# KiCad board KB75.kicad_pcb (continued)
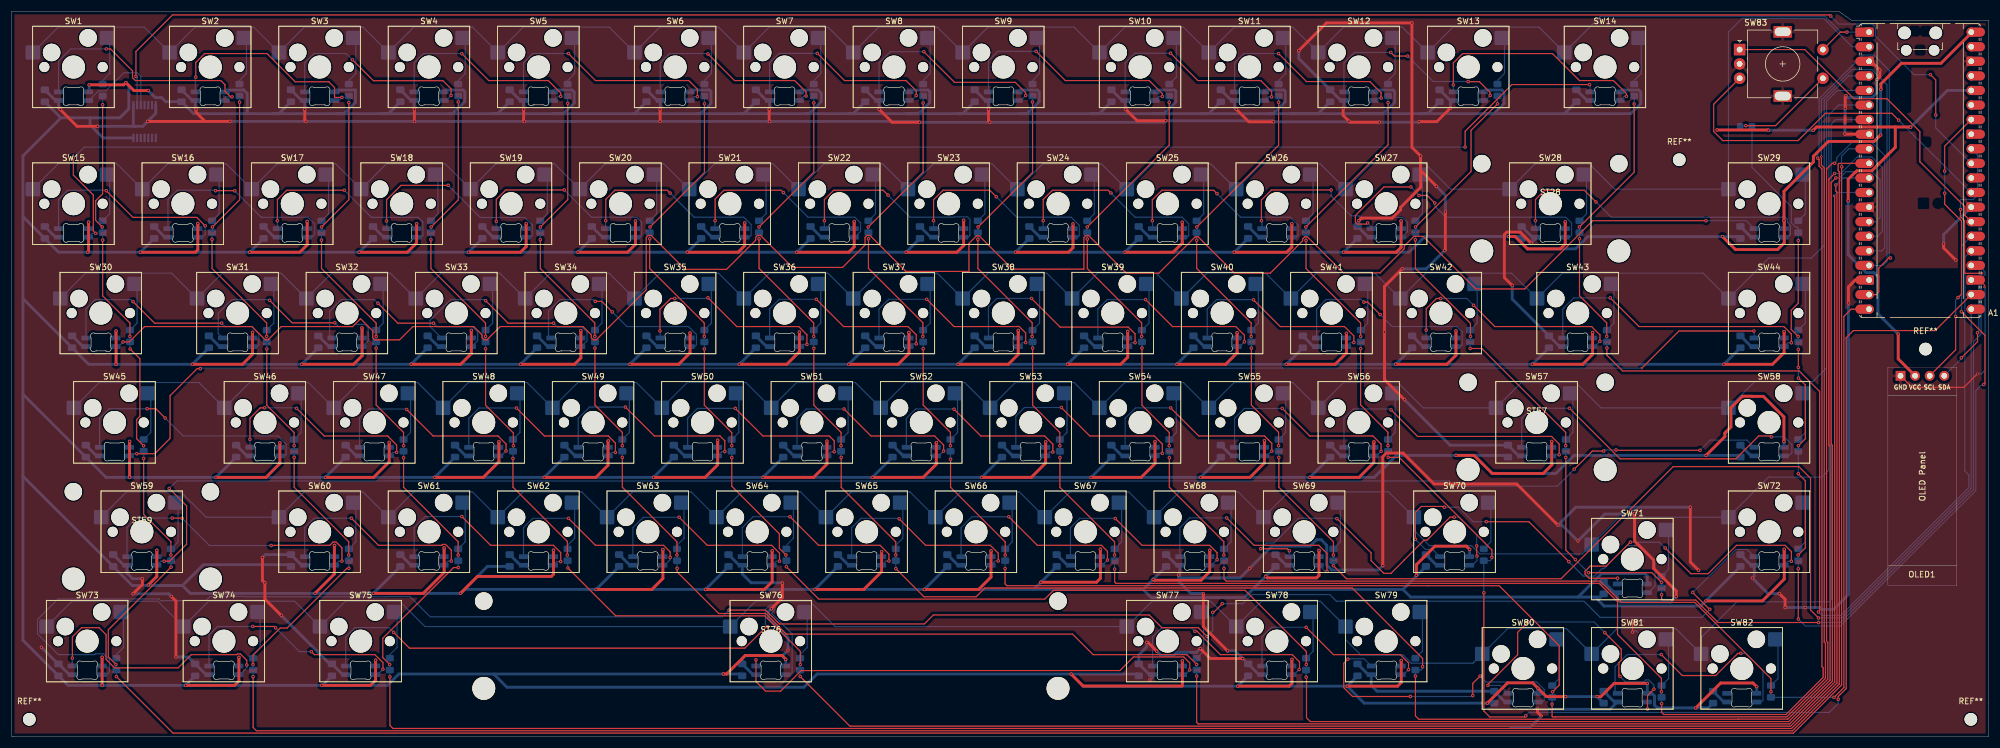
[diagram p0: board, top side]
## Routing (per net, layer and track width the routed paths; a pad name or vN(x,y) marks a point on that pad's centre or on a via; arc(x,y) is an arc through that point) (continued)
Net-(LED67-DOUT): length 36.6
  Top w0.2: v1(209.94,30.8) 209.94,32.01 208.65,33.31 196.88,33.31 v1(192.22,37.97)
  Bottom w0.2: LED67.1 184.41,36.39 186.04,38.01 192.17,38.01 v1(192.22,37.97) ; v1(209.94,30.8) 208.97,29.83 LED68.3
Net-(LED68-DOUT): length 38.9
  Top w0.2: v1(229.08,28.76) 229.08,31.89 227.66,33.31 216.39,33.31 v1(211.62,38.08)
  Bottom w0.2: LED69.3 228.79,28.76 v1(229.08,28.76) ; v1(211.62,38.08) 205.16,38.08 203.46,36.39 LED68.1
Net-(LED69-DOUT): length 62.2
  Top w0.2: v1(222.54,32.35) 222.18,32.71 v1(217.54,32.71) ; v1(255.15,33.21) 255.15,31.49 v1(255.21,31.43) ; v1(230.81,37.95) 236.77,31.99 236.77,30.64 238.99,28.42 240.22,28.42 242.55,30.75 242.55,30.77 245.98,34.2 246.5,34.2 250.51,38.21 v1(251.23,38.21)
  Bottom w0.2: v1(222.54,32.35) 222.51,32.33 LED69.1 ; v1(255.15,33.21) 255.15,35.15 252.08,38.21 v1(251.23,38.21) ; v1(255.21,31.43) 255.21,30.66 254.38,29.83 LED70.3 ; v1(230.81,37.95) 230.74,38.01 224.14,38.01 219.84,33.71 218.54,33.71 v1(217.54,32.71)
Net-(LED70-DOUT): length 66.7
  Top w0.2: v1(249.51,39.94) 249.37,40.08 245.5,40.08 244.48,39.05 v1(244.48,34.35) ; v1(271.19,30.47) 264.24,37.42 v1(256.82,37.42)
  Bottom w0.2: v1(256.82,37.42) 254.51,37.42 252,39.94 v1(249.51,39.94) ; v1(244.48,34.35) 246.24,32.59 247.45,32.59 LED70.1 ; LED71.3 285.06,25.07 286.21,26.21 286.21,30.28 283.24,33.25 281.29,33.25 277.3,29.26 276.97,29.26 275.65,27.94 273.72,27.94 v1(271.19,30.47)
Net-(LED71-DOUT): length 53.5
  Top w0.2: v1(287.97,32.85) 292.46,28.36 295.45,28.36 300.4,33.31 308.86,33.31 309.96,32.21 v1(309.96,30.52) ; v1(281.92,33.85) 281.89,33.85 277.71,29.67 274.9,29.67 274.01,28.79 274.01,28.29 274.74,27.57 v1(279.68,27.57)
  Bottom w0.2: v1(281.92,33.85) 286.97,33.85 v1(287.97,32.85) ; LED71.1 279.66,27.56 v1(279.68,27.57) ; LED72.3 309.37,30.52 v1(309.96,30.52)
Net-(LED72-DOUT): length 344.6
  Top w0.2: v1(295.75,22.16) 295.69,22.16 292.79,25.06 v1(292.79,25.1) ; v1(209.19,21.63) 209.34,21.63 v1(210.85,23.14) ; v1(208.21,17.43) 206.67,18.96 200.33,18.96 198.12,21.17 160.54,21.17 158.97,19.6 133.73,19.6 131.31,22.03 v1(124.97,22.03)
  Bottom w0.2: v1(292.79,25.1) 300.27,32.59 302.22,32.59 LED72.1 ; v1(210.85,23.14) 214.41,23.14 216,24.73 229.56,24.73 230.72,23.57 273.84,23.57 276.65,20.76 294.36,20.76 v1(295.75,22.16) ; LED73.3 16.58,10.78 17.06,11.26 17.06,13.39 16.03,14.41 14.64,14.41 14.49,14.26 8.17,14.26 4.52,17.91 4.52,20.39 8.1,23.97 25.66,23.97 25.96,23.67 33.86,23.67 34.58,24.39 40.77,24.39 40.82,24.34 65.23,24.34 65.28,24.39 69.38,24.39 72.91,20.86 123.8,20.86 v1(124.97,22.03) ; v1(209.19,21.63) 209.19,18.41 v1(208.21,17.43)
Net-(LED73-DOUT): length 46.2
  Top w0.2: v1(40.97,12.45) 40.97,13.28 39.85,14.39 39.36,14.39 39.22,14.26 31.32,14.26 29.02,11.96 17.94,11.96 16.46,13.43 16.46,17.74 15.24,18.96 12.21,18.96 10.61,17.36 v1(10.61,13.66)
  Bottom w0.2: LED73.1 10.58,13.64 v1(10.61,13.66) ; v1(40.97,12.45) 40.97,11.97 39.78,10.78 LED74.3
Net-(LED74-DOUT): length 41.7
  Top w0.2: v1(45.98,18.95) 45.76,19.17 v1(42.03,19.17) ; v1(64.69,11.72) 64.69,12.86 63.29,14.26 52.75,14.26 v1(52.22,14.79)
  Bottom w0.2: LED74.1 34.39,17.71 35.86,19.17 v1(42.03,19.17) ; v1(52.22,14.79) 50.14,14.79 v1(45.98,18.95) ; LED75.3 63.75,10.78 v1(64.69,11.72)
Net-(LED75-DOUT): length 101.9
  Top w0.2: v1(66.54,18.15) 69.31,15.39 127.69,15.39 131.41,19.1 v1(131.7,19.1)
  Bottom w0.2: LED76.3 135.64,10.78 135.95,11.08 135.95,17.86 132.38,21.43 132.38,21.48 132.92,22.02 132.92,22.52 132.56,22.87 132.07,22.87 131.28,22.08 131.28,19.53 v1(131.7,19.1) ; v1(66.54,18.15) 65.73,18.96 59.83,18.96 58.21,17.34 LED75.1
Net-(LED76-DOUT): length 86.8
  Top w0.2: v1(205.18,11.61) 205.18,12.82 204.14,13.86 195.38,13.86 193.02,11.49 137.53,11.49 133.95,7.91 131.32,7.91 129.65,9.58 v1(129.65,13.36)
  Bottom w0.2: v1(129.65,13.36) 129.64,13.36 LED76.1 ; LED77.3 204.35,10.78 v1(205.18,11.61)
Net-(LED77-DOUT): length 36.8
  Top w0.2: v1(206.09,18.33) 206.46,18.33 210.53,14.26 223.02,14.26 224.3,12.99 224.3,11.74 v1(224.23,11.67)
  Bottom w0.2: 222.95,10.78 223.34,10.78 v1(224.23,11.67) ; LED77.1 198.7,17.34 200.33,18.96 205.45,18.96 v1(206.09,18.33)
Net-(LED78-DOUT): length 36.7
  Top w0.2: v1(243.28,11.66) 243.28,12.83 241.85,14.26 230.22,14.26 v1(225.46,19.02)
  Bottom w0.2: v1(243.28,11.66) 242.4,10.78 LED79.3 ; v1(225.46,19.02) 219.44,19.02 217.75,17.34 217.75,12.28
Net-(LED79-DOUT): length 52.2
  Top w0.2: v1(255.75,10.53) 254.47,9.25 v1(254.47,7.13) ; v1(243.6,6.97) 233.55,6.97 232,8.52 232,12.76 v1(232.71,13.47)
  Bottom w0.2: v1(243.6,6.97) 254.31,6.97 v1(254.47,7.13) ; v1(255.75,10.53) 256.78,9.5 265.6,9.5 266.91,8.18 266.91,6.32 266.61,6.02 LED80.3 ; v1(232.71,13.47) 232.77,13.54 235.54,13.54 236.8,12.28
Net-(LED80-DOUT): length 53.9
  Top w0.2: v1(286.01,8.24) 284.9,7.12 v1(284.9,4.79) ; v1(280.12,10.47) 279.91,10.68 279.91,12.87 280.33,13.28 280.33,15.22 v1(277.46,18.09) ; v1(264.08,19.94) 262.28,18.15 262.28,14.24 257.11,9.07 v1(257.11,8.9)
  Bottom w0.2: LED81.3 284.9,5.99 v1(284.9,4.79) ; v1(277.46,18.09) 275.61,19.94 v1(264.08,19.94) ; v1(257.11,8.9) 259.23,8.9 LED80.1 ; v1(280.12,10.47) 281.09,9.5 284.24,9.5 284.61,9.86 285.1,9.86 286.01,8.95 v1(286.01,8.24)
Net-(LED81-DOUT): length 42.2
  Top w0.2: v1(287.3,14.28) 290.95,10.62 296.76,10.62 300.63,14.49 v1(301.15,14.49)
  Bottom w0.2: LED81.1 279.25,7.93 279.25,12.16 281.37,14.28 v1(287.3,14.28) ; v1(301.15,14.49) 302,14.49 305.01,11.47 305.01,6.32 304.71,6.02 LED82.3

## Copper pours and planes (outline as drawn; the poured copper is in the pictures)
GND on Top, Bottom: 344.29,124.77 320.49,124.75 318.23,126.3 0,126.3 0.04,0 344.29,0
